# Altium PCB DDR3.PcbDoc (part 1 of 6) (continued)
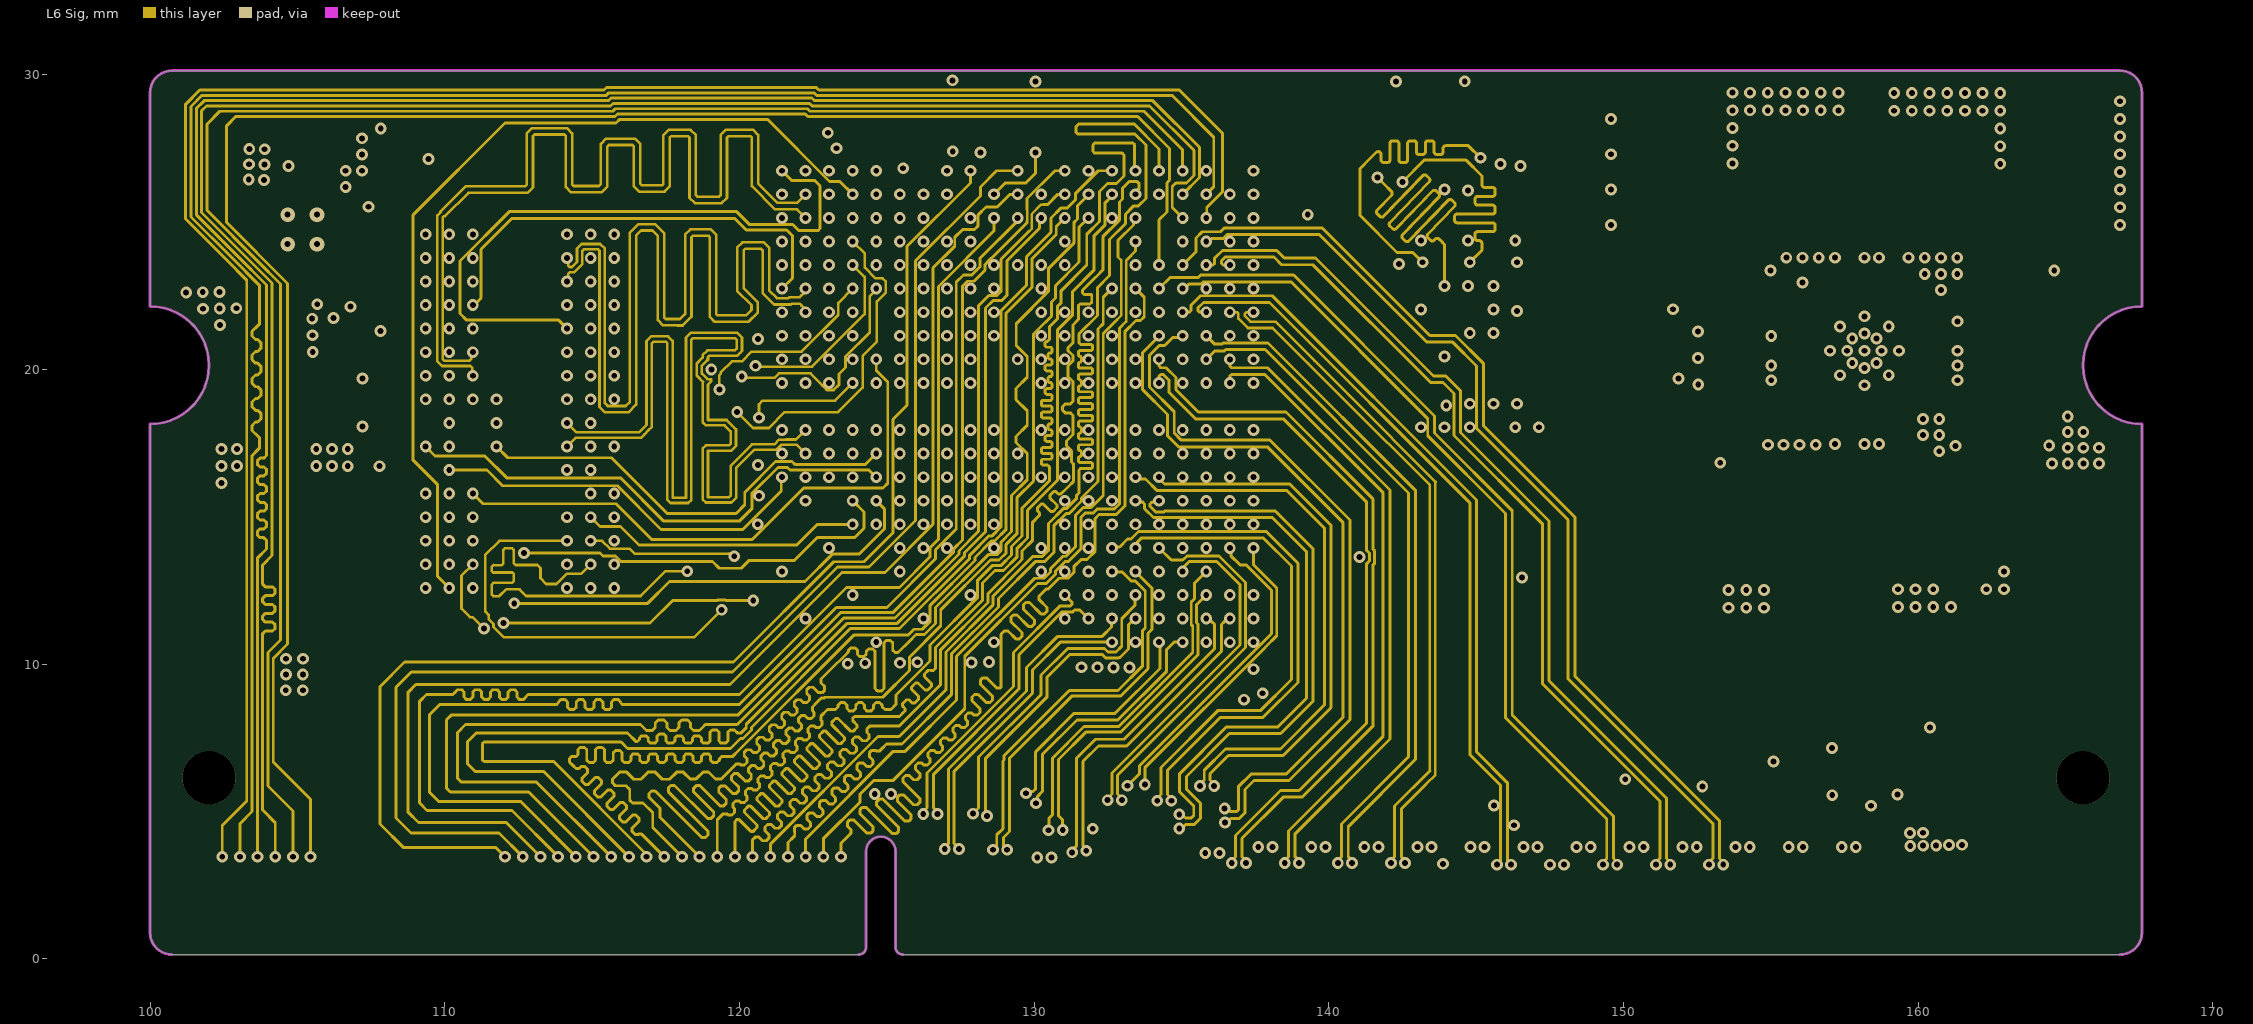
[diagram p6: L6 Sig]
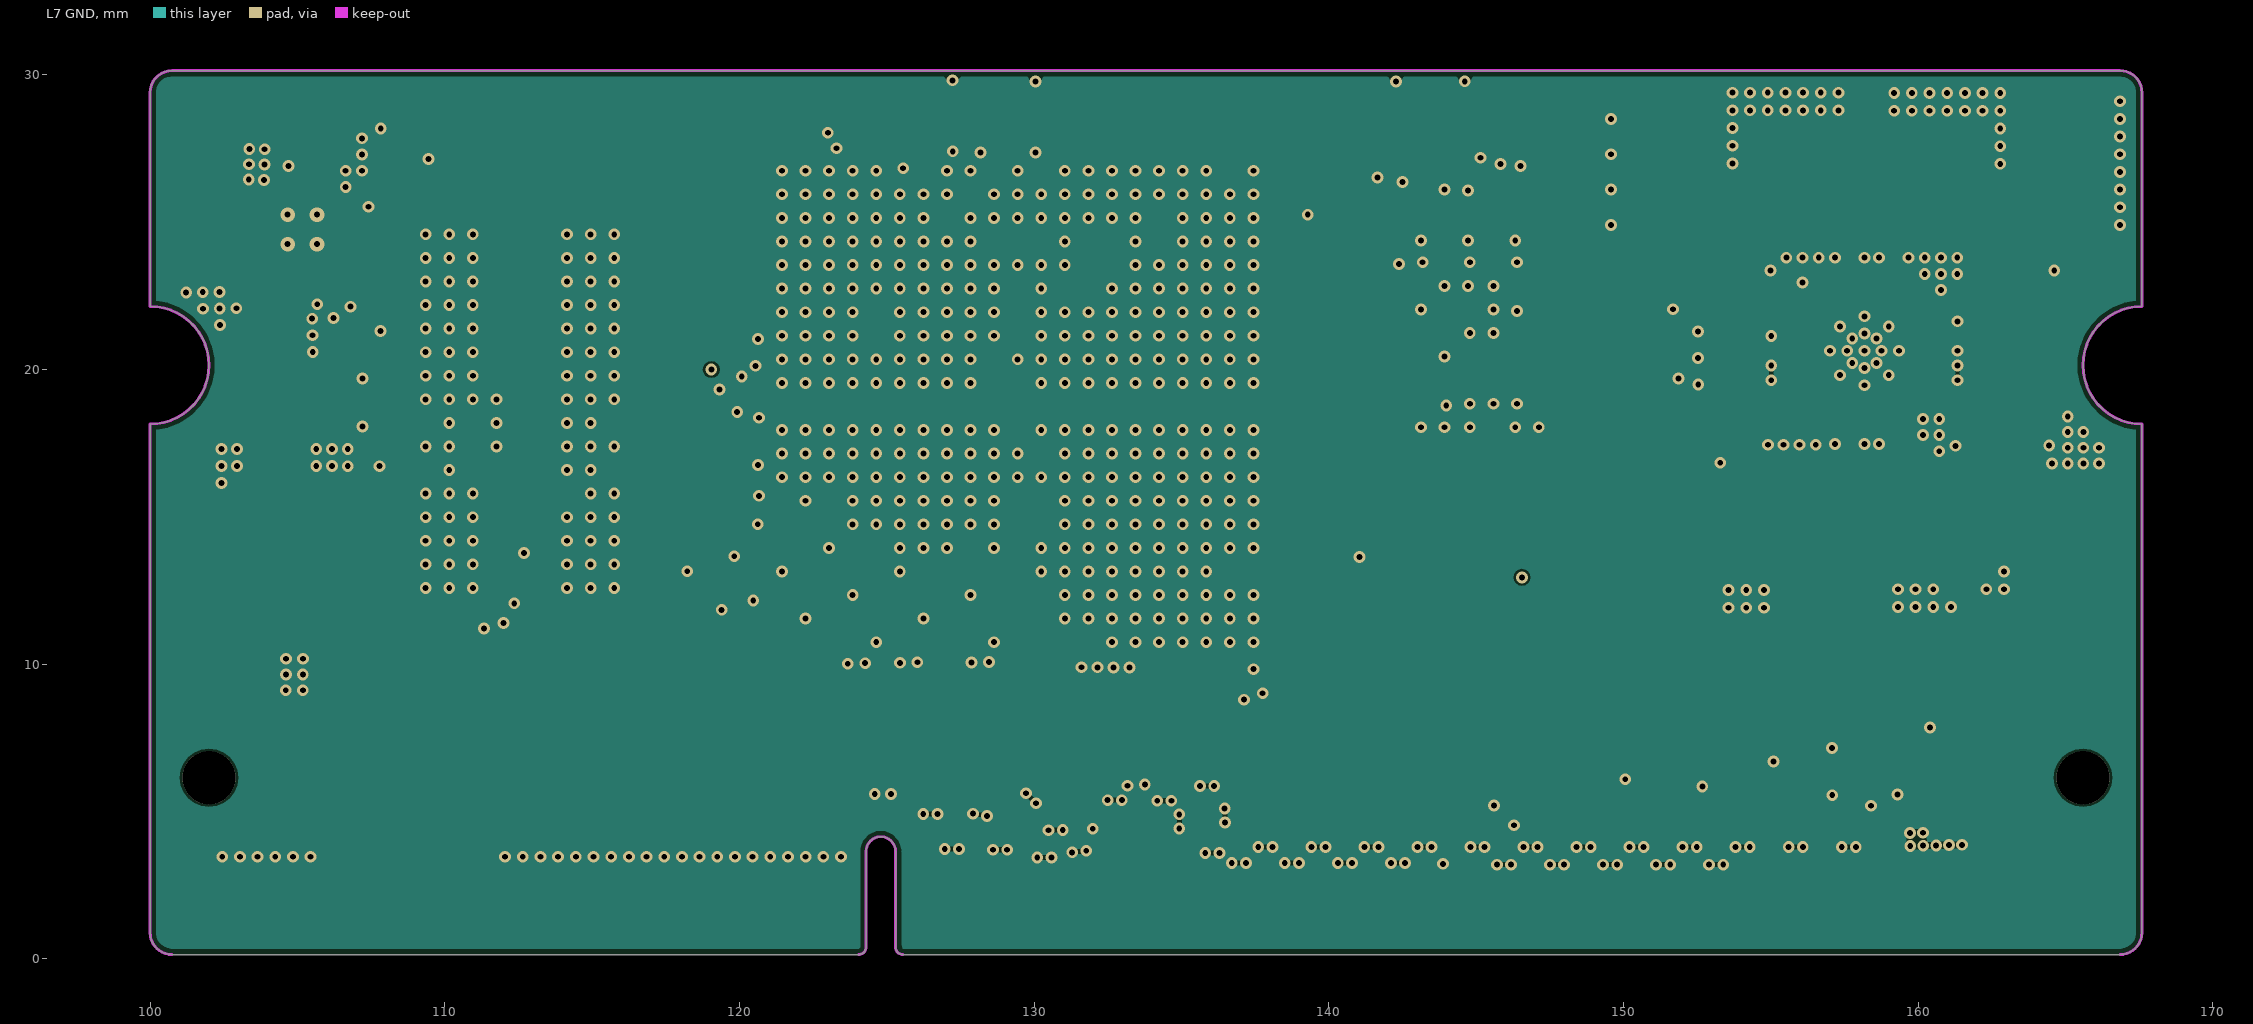
[diagram p7: L7 GND]
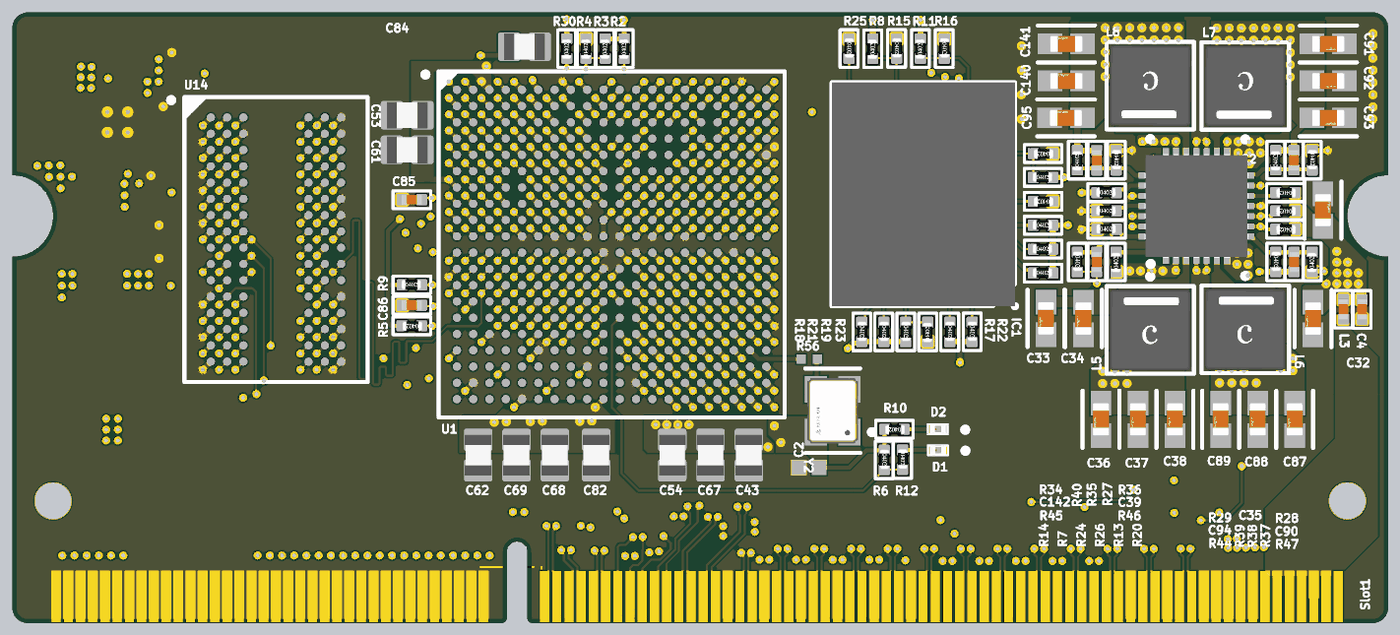
[diagram p13: 3D render of the assembled board from above, using the file's embedded part models]
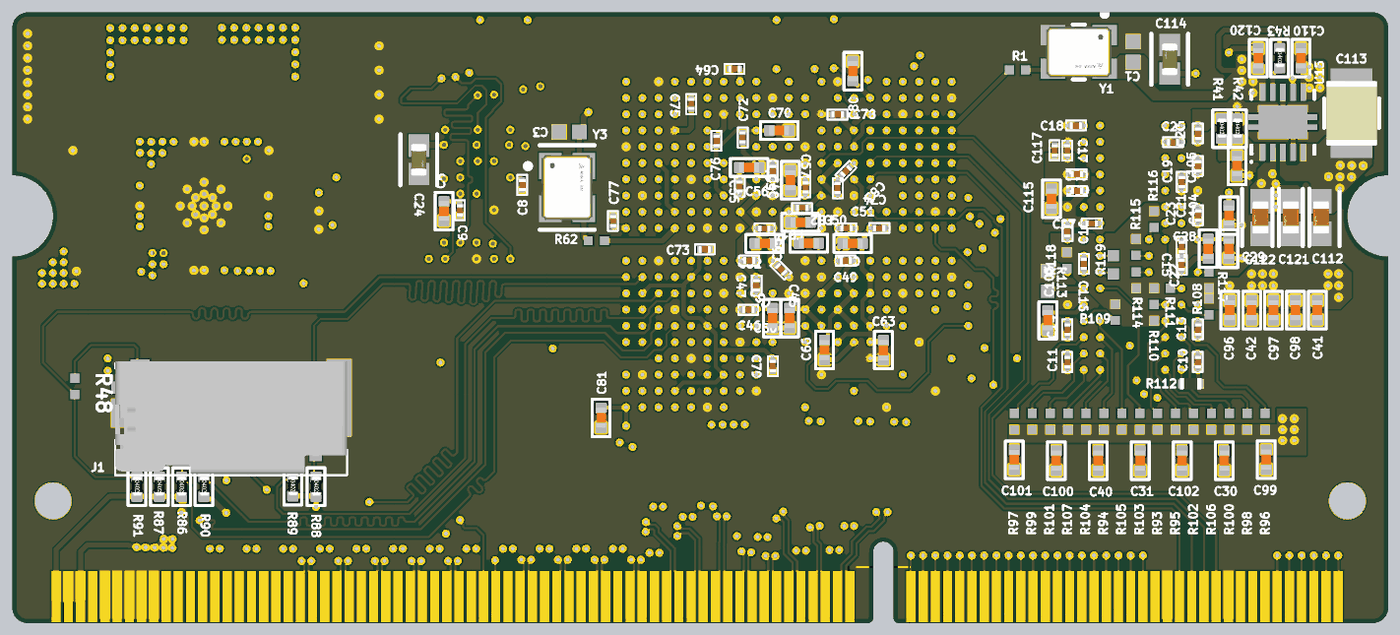
[diagram p14: 3D render of the assembled board from below, using the file's embedded part models]

## Layer stack, top to bottom
Top Solder: solder mask 0.02, Solder Resist, Dk 4.1
L1 Top: signal copper 0.043
Dielectric1: prepreg 0.07, Prepreg 1080, Dk 4.2
L2 GND: signal copper 0.018
Dielectric2: core 0.1, VT-47, Dk 4.2
L3 Sig: signal copper 0.018
Dielectric3: prepreg 0.54, Prepreg 7628 x 3, Dk 4.2
L4 (PWR): signal copper 0.018
Dielectric4: core 0.1, VT-47, Dk 4.2
L5 (PWR): signal copper 0.018
Dielectric5: prepreg 0.54, Prepreg 7628 x 3, Dk 4.2
L6 Sig: signal copper 0.018
Dielectric6: core 0.1, VT-47, Dk 4.2
L7 GND: signal copper 0.018
Dielectric7: prepreg 0.07, Prepreg 1080, Dk 4.2
L8 Bot: signal copper 0.043
Bottom Solder: solder mask 0.02, Solder Resist, Dk 4.1

## Board outline
100,0.9 ccw(c100.75,0.9) 100.75,0.15 124.05,0.15 ccw(c124.05,0.4) 124.3,0.4 124.3,3.65 cw(c124.8,3.65) 125.3,3.65 125.3,0.4 ccw(c125.55,0.4) 125.55,0.15 166.85,0.15 ccw(c166.85,0.9) 167.6,0.9 167.6,18.15 cw(c167.6,20.15) 167.6,22.15 167.6,29.4 ccw(c166.85,29.4) 166.85,30.15 100.749,30.15 ccw(c100.75,29.4) 100,29.4 100,22.15 cw(c100,20.15) 100,18.15

## Design rules (kind name [scope] priority, off if disabled: settings)
BoardOutlineClearance "BoardOutline 0.2" [All] p1: gap=0.2 ignorepadtopadclearanceinfootprint=FALSE
Clearance [All] p1: gap=0.08 ignorepadtopadclearanceinfootprint=TRUE
ComponentClearance "Feather Clearance" [HasFootprint('Feather_FFC')] p1: gap=0 collisioncheckmode=3 verticalgap=0 showdistances=FALSE
ComponentClearance [All] p2: gap=0.2 collisioncheckmode=3 verticalgap=0.2 showdistances=FALSE
DiffPairsRouting [All] p1: maxlimit=0.1 minlimit=0.08 mostfreqgap=0.1 substack1={D3D2EB41-15A4-4FBE-BDF9-9416E245AB65} toplayer_{d3d2eb41-15a4-4fbe-bdf9-9416e245ab65}_minwidth=0.381 toplayer_{d3d2eb41-15a4-4fbe-bdf9-9416e245ab65}_maxwidth=0.381 toplayer_{d3d2eb41-15a4-4fbe-bdf9-9416e245ab65}_prefwidth=0.381 midlayer1_{d3d2eb41-15a4-4fbe-bdf9-9416e245ab65}_minwidth=0.381 midlayer1_{d3d2eb41-15a4-4fbe-bdf9-9416e245ab65}_maxwidth=0.381 midlayer1_{d3d2eb41-15a4-4fbe-bdf9-9416e245ab65}_prefwidth=0.381 midlayer2_{d3d2eb41-15a4-4fbe-bdf9-9416e245ab65}_minwidth=0.381 midlayer2_{d3d2eb41-15a4-4fbe-bdf9-9416e245ab65}_maxwidth=0.381 midlayer2_{d3d2eb41-15a4-4fbe-bdf9-9416e245ab65}_prefwidth=0.381 midlayer3_{d3d2eb41-15a4-4fbe-bdf9-9416e245ab65}_minwidth=0.381 midlayer3_{d3d2eb41-15a4-4fbe-bdf9-9416e245ab65}_maxwidth=0.381 midlayer3_{d3d2eb41-15a4-4fbe-bdf9-9416e245ab65}_prefwidth=0.381 midlayer4_{d3d2eb41-15a4-4fbe-bdf9-9416e245ab65}_minwidth=0.381 midlayer4_{d3d2eb41-15a4-4fbe-bdf9-9416e245ab65}_maxwidth=0.381 midlayer4_{d3d2eb41-15a4-4fbe-bdf9-9416e245ab65}_prefwidth=0.381 midlayer5_{d3d2eb41-15a4-4fbe-bdf9-9416e245ab65}_minwidth=0.381 midlayer5_{d3d2eb41-15a4-4fbe-bdf9-9416e245ab65}_maxwidth=0.381 midlayer5_{d3d2eb41-15a4-4fbe-bdf9-9416e245ab65}_prefwidth=0.381 midlayer6_{d3d2eb41-15a4-4fbe-bdf9-9416e245ab65}_minwidth=0.381 midlayer6_{d3d2eb41-15a4-4fbe-bdf9-9416e245ab65}_maxwidth=0.381 midlayer6_{d3d2eb41-15a4-4fbe-bdf9-9416e245ab65}_prefwidth=0.381 bottomlayer_{d3d2eb41-15a4-4fbe-bdf9-9416e245ab65}_minwidth=0.381 bottomlayer_{d3d2eb41-15a4-4fbe-bdf9-9416e245ab65}_maxwidth=0.381 bottomlayer_{d3d2eb41-15a4-4fbe-bdf9-9416e245ab65}_prefwidth=0.381 toplayer_minwidth=0.08 toplayer_maxwidth=0.1 toplayer_prefwidth=0.1 midlayer1_minwidth=0.08 midlayer1_maxwidth=0.1 midlayer1_prefwidth=0.1 midlayer2_minwidth=0.08 midlayer2_maxwidth=0.1 midlayer2_prefwidth=0.1 midlayer3_minwidth=0.08 midlayer3_maxwidth=0.1 midlayer3_prefwidth=0.1 midlayer4_minwidth=0.08 midlayer4_maxwidth=0.1 midlayer4_prefwidth=0.1 midlayer5_minwidth=0.08 midlayer5_maxwidth=0.1 midlayer5_prefwidth=0.1 midlayer6_minwidth=0.08 midlayer6_maxwidth=0.1 midlayer6_prefwidth=0.1 bottomlayer_mingap=0.1 bottomlayer_minwidth=0.08 bottomlayer_maxwidth=0.1 bottomlayer_prefwidth=0.1 filterlayerstackid={55388FC2-3573-4435-ADA9-B42E271BE3AA} maxuncoupledlength=12.7
HoleToHoleClearance [All] p1: gap=0.18 allowstackedmicrovias=TRUE
MatchedLengths MatchLengths_DDR_CMD_CTRL [InxSignalClass('DDR_CMD_CTRL')] p1: tolerance=0.5 checknetsindiffpair=FALSE checkdiffpairvsdiffpair=TRUE checkxsignals=TRUE checkothers=TRUE
MatchedLengths DDR_LANE0 [InNetClass('LANE0')] p2: tolerance=1 checknetsindiffpair=FALSE checkdiffpairvsdiffpair=TRUE checkxsignals=TRUE checkothers=TRUE
MatchedLengths DDR_LANE3 [InNetClass('LANE3')] p3: tolerance=1 checknetsindiffpair=FALSE checkdiffpairvsdiffpair=TRUE checkxsignals=TRUE checkothers=TRUE
MatchedLengths DDR_LANE2 [InNetClass('LANE2')] p4: tolerance=1 checknetsindiffpair=FALSE checkdiffpairvsdiffpair=TRUE checkxsignals=TRUE checkothers=TRUE
MatchedLengths DDR_LANE1 [InNetClass('LANE1')] p5: tolerance=1 checknetsindiffpair=FALSE checkdiffpairvsdiffpair=TRUE checkxsignals=TRUE checkothers=TRUE
PolygonConnect [All] p1: thpad.connectstyle=Relief thpad.reliefconductorwidth=0.2 thpad.reliefentries=4 thpad.polygonreliefangle="90 Angle" thpad.airgapwidth=0.1 smdpad.connectstyle=Direct smdpad.reliefconductorwidth=0.254 smdpad.reliefentries=4 smdpad.polygonreliefangle="90 Angle" smdpad.airgapwidth=0.254 via.connectstyle=Direct via.reliefconductorwidth=0.254 via.reliefentries=4 via.polygonreliefangle="90 Angle" via.airgapwidth=0.254
RoomDefinition "U_02_Input Connectors" [InComponentClass('U_02_Input Connectors')] p1: confinementstyle=ConfineOut formatcopy=TRUE lockcomponents=FALSE outline 77.3,26.9 147,26.9 147,39.6 77.3,39.6
RoomDefinition "U_14_Zynq Power" [InComponentClass('U_14_Zynq Power')] p2: confinementstyle=ConfineOut formatcopy=TRUE lockcomponents=FALSE outline 77.3,201.6 379.199,201.6 379.199,206.1 77.3,206.1
RoomDefinition "U_13_Zynq PL" [InComponentClass('U_13_Zynq PL')] p3: confinementstyle=ConfineOut formatcopy=TRUE lockcomponents=FALSE outline 77.3,196.3 83.5,196.3 83.5,200.4 77.3,200.4
RoomDefinition "U_12_QSPI SD-Card" [InComponentClass('U_12_QSPI SD-Card')] p4: confinementstyle=ConfineOut formatcopy=TRUE lockcomponents=FALSE outline 77.3,176.6 177.1,176.6 177.1,195 77.3,195
RoomDefinition "U_11_Zynq MIO" [InComponentClass('U_11_Zynq MIO')] p5: confinementstyle=ConfineOut formatcopy=TRUE lockcomponents=FALSE outline 77.3,169.6 202.3,169.6 202.3,175.3 77.3,175.3
RoomDefinition "U_10_DDR3 RAM" [InComponentClass('U_10_DDR3 RAM')] p6: confinementstyle=ConfineOut formatcopy=TRUE lockcomponents=FALSE outline 77.3,151.9 288.299,151.9 288.299,168.4 77.3,168.4
RoomDefinition "U_09_Zynq DDR" [InComponentClass('U_09_Zynq DDR')] p7: confinementstyle=ConfineOut formatcopy=TRUE lockcomponents=FALSE outline 77.3,146.4 263.299,146.4 263.299,150.6 77.3,150.6
RoomDefinition "U_08_Zynq Config_ADC" [InComponentClass('U_08_Zynq Config_ADC')] p8: confinementstyle=ConfineOut formatcopy=TRUE lockcomponents=FALSE outline 77.3,124.7 125.2,124.7 125.2,145.2 77.3,145.2
RoomDefinition "U_07_Analog Buffer" [InComponentClass('U_07_Analog Buffer')] p9: confinementstyle=ConfineOut formatcopy=TRUE lockcomponents=FALSE outline 77.3,118.1 264.299,118.1 264.299,123.5 77.3,123.5
RoomDefinition "U_06_USB-UART Bridge" [InComponentClass('U_06_USB-UART Bridge')] p10: confinementstyle=ConfineOut formatcopy=TRUE lockcomponents=FALSE outline 77.3,110.2 142.9,110.2 142.9,116.8 77.3,116.8
RoomDefinition "U_05_Output Connectors" [InComponentClass('U_05_Output Connectors')] p11: confinementstyle=ConfineOut formatcopy=TRUE lockcomponents=FALSE outline 77.3,55.3 158.6,55.3 158.6,109 77.3,109
RoomDefinition U_04_Supply_Monitoring [InComponentClass('U_04_Supply_Monitoring')] p12: confinementstyle=ConfineOut formatcopy=TRUE lockcomponents=FALSE outline 77.3,48.3 328.299,48.3 328.299,54.1 77.3,54.1
RoomDefinition "U_03_Battery Management" [InComponentClass('U_03_Battery Management')] p13: confinementstyle=ConfineOut formatcopy=TRUE lockcomponents=FALSE outline 77.3,40.9 154.1,40.9 154.1,47 77.3,47
RoutingVias [All] p1: holewidth=0.2 width=0.4 viastyle="Through Hole" minholewidth=0.2 minwidth=0.4 maxholewidth=0.5 maxwidth=1.5
SolderMaskExpansion [All] p1: expansion=0.025 istentingtop=FALSE
Width [All] p1: maxlimit=2 minlimit=0.08 preferedwidth=0.08 substack1={D3D2EB41-15A4-4FBE-BDF9-9416E245AB65}
27 further rules are at their usual default settings.

## Classes and differential pairs
net class JTAG: TCK TDI TDO TMS
net class DIFF: IO_L1_T0_AD0_35_N IO_L1_T0_AD0_35_P IO_L2_T0_34_N IO_L2_T0_34_P IO_L2_T0_AD8_35_N IO_L2_T0_AD8_35_P IO_L3_T0_DQS_34_N IO_L3_T0_DQS_34_P IO_L4_T0_35_N IO_L4_T0_35_P IO_L11_T1_SRCC_35_N IO_L11_T1_SRCC_35_P IO_L15_T2_DQS_AD12_35_N IO_L15_T2_DQS_AD12_35_P IO_L17_T2_AD5_35_N IO_L17_T2_AD5_35_P IO_L18_T2_AD13_35_N IO_L18_T2_AD13_35_P
net class HDMI: HDMI_CLK_N HDMI_CLK_P HDMI_D0_N HDMI_D0_P HDMI_D1_N HDMI_D1_P HDMI_D2_N HDMI_D2_P
net class PS_MIO: PS_MIO15 PS_MIO16 PS_MIO17 PS_MIO18 PS_MIO19 PS_MIO20 PS_MIO21 PS_MIO22 PS_MIO23 PS_MIO24 PS_MIO25 PS_MIO26 PS_MIO27 PS_MIO28 PS_MIO29 PS_MIO30 PS_MIO31 PS_MIO32 PS_MIO33 PS_MIO34 PS_MIO35 PS_MIO36 PS_MIO37 PS_MIO38 PS_MIO39 PS_MIO40 PS_MIO41 PS_MIO42 PS_MIO43 PS_MIO44 PS_MIO45 PS_MIO46 PS_MIO47 PS_MIO48 PS_MIO49 PS_MIO50 PS_MIO51 PS_MIO52 PS_MIO53
net class PS_MIO[15..53]: PS_MIO15 PS_MIO16 PS_MIO17 PS_MIO18 PS_MIO19 PS_MIO20 PS_MIO21 PS_MIO22 PS_MIO23 PS_MIO24 PS_MIO25 PS_MIO26 PS_MIO27 PS_MIO28 PS_MIO29 PS_MIO30 PS_MIO31 PS_MIO32 PS_MIO33 PS_MIO34 PS_MIO35 PS_MIO36 PS_MIO37 PS_MIO38 PS_MIO39 PS_MIO40 PS_MIO41 PS_MIO42 PS_MIO43 PS_MIO44 PS_MIO45 PS_MIO46 PS_MIO47 PS_MIO48 PS_MIO49 PS_MIO50 PS_MIO51 PS_MIO52 PS_MIO53
net class SD-CARD: SD_CMD SD_DAT0 SD_DAT1 SD_DAT2 SD_DAT3 SD_NCD SD_SCK
net class NAND: #RE_0 #WE_0 ALE_0 CLK_0 CS_0 IO0_0 IO1_0 IO2_0 IO3_0 IO4_0 IO5_0 IO6_0 IO7_0 RY/#BY_0
net class DDR_DATA: DDR-0-A0 DDR-0-A1 DDR-0-A2 DDR-0-A3 DDR-0-A4 DDR-0-A5 DDR-0-A6 DDR-0-A7 DDR-0-A8 DDR-0-A9 DDR-0-A10 DDR-0-A11 DDR-0-A12 DDR-0-A13 DDR-0-A14 DDR-0-DQ0 DDR-0-DQ1 DDR-0-DQ2 DDR-0-DQ3 DDR-0-DQ4 DDR-0-DQ5 DDR-0-DQ6 DDR-0-DQ7 DDR-0-DQ8 DDR-0-DQ9 DDR-0-DQ10 DDR-0-DQ11 DDR-0-DQ12 DDR-0-DQ13 DDR-0-DQ14 DDR-0-DQ15
net class DDR_CTRL: DDR-0-BA0 DDR-0-BA1 DDR-0-BA2 DDR-0-CAS DDR-0-CLK DDR-0-CLK0_N DDR-0-CLK0_P DDR-0-CS0 DDR-0-LDM DDR-0-LDQS_N DDR-0-LDQS_P DDR-0-ODT DDR-0-RAS DDR-0-RESET DDR-0-UDM DDR-0-UDQS_N DDR-0-UDQS_P DDR-0-WE
net class DDR-0-DQ[0..15]: DDR-0-DQ0 DDR-0-DQ1 DDR-0-DQ2 DDR-0-DQ3 DDR-0-DQ4 DDR-0-DQ5 DDR-0-DQ6 DDR-0-DQ7 DDR-0-DQ8 DDR-0-DQ9 DDR-0-DQ10 DDR-0-DQ11 DDR-0-DQ12 DDR-0-DQ13 DDR-0-DQ14 DDR-0-DQ15
net class DDR-0-BA[0..2]: DDR-0-BA0 DDR-0-BA1 DDR-0-BA2
component class U_ZYNQ_PW: C43 C44 C45 C46 C47 C48 C49 C50 C51 C52 C53 C54 C55 C56 C57 C58 C59 C60 C61 C62 C63 C64 C65 C66 C67 C68 C69 C70 C71 C72 C73 C74 C75 C76 C77 C78 C79 C80 C81 C82 C83 C84 FB1 FB2
component class U_ZYNQ_PS: C5 D1 R2 R3 R4 R5 R6 R9 R12 R30
component class U_ZYNQ_FLASH: C6 C8 C9 C24 IC1 R7 R8 R11 R13 R14 R15 R16 R17 R18 R19 R20 R21 R22 R23 R24 R25 R26
component class U_ZYNQ_DDR3: C10 C11 C12 C13 C14 C15 C16 C17 C18 C19 C20 C21 C22 C23 C25 C26 C27 C28 C29 C30 C31 C40 C41 C42 C96 C97 C98 C99 C100 C101 C102 C114 C115 C116 C117 R93 R94 R95 R96 R97 R98 R99 R100 R101 R102 R103 R104 R105 R106 R107 R108 R109 R110 R111 R112 R113 R114 R115 R116 R117 R118 R119 U14
component class U_ZYNQ_BANK: C85 C86 Slot1 U1
component class U_SDCARD: J1 R48 R86 R87 R88 R89 R90 R91
component class U_PSCLK: C1 C2 C3 R1 R56 R62 Y1 Y2 Y3
component class U_Power: C4 C32 C33 C34 C35 C36 C37 C38 C39 C87 C88 C89 C90 C91 C92 C93 C94 C95 C140 C141 C142 D2 IC2 L3 L5 L6 L7 L8 R10 R27 R28 R29 R34 R35 R36 R37 R38 R39 R40 R44 R45 R46 R47
component class U_Power_DDRTermination: C103 C104 C105 C110 C112 C113 C120 C121 C122 R41 R42 R43 U15
net class DDR-0-A[0..14]: DDR-0-A0 DDR-0-A1 DDR-0-A2 DDR-0-A3 DDR-0-A4 DDR-0-A5 DDR-0-A6 DDR-0-A7 DDR-0-A8 DDR-0-A9 DDR-0-A10 DDR-0-A11 DDR-0-A12 DDR-0-A13 DDR-0-A14
differential pair IO_L13_T2_MRCC_35: +IO_L13_T2_MRCC_35_P -IO_L13_T2_MRCC_35_N
differential pair IO_L21_T3_DQS_AD14_35: +IO_L21_T3_DQS_AD14_35_P -IO_L21_T3_DQS_AD14_35_N
differential pair IO_L20_T3_AD6_35: +IO_L20_T3_AD6_35_P -IO_L20_T3_AD6_35_N
differential pair IO_L19_T3_35: +IO_L19_T3_35_P -IO_L19_T3_35_N
differential pair IO_L16_T2_35: +IO_L16_T2_35_P -IO_L16_T2_35_N
differential pair IO_L14_T2_AD4_SRCC_35: +IO_L14_T2_AD4_SRCC_35_P -IO_L14_T2_AD4_SRCC_35_N
differential pair IO_L10_T1_AD11_35: +IO_L10_T1_AD11_35_P -IO_L10_T1_AD11_35_N
differential pair IO_L6_T0_35: +IO_L6_T0_35_P -IO_L6_T0_35_N
differential pair IO_L5_T0_AD9_35: +IO_L5_T0_AD9_35_P -IO_L5_T0_AD9_35_N
differential pair IO_L3_T0_DQS_AD1_35: +IO_L3_T0_DQS_AD1_35_P -IO_L3_T0_DQS_AD1_35_N
differential pair IO_L23_T3_35: +IO_L23_T3_35_P -IO_L23_T3_35_N
differential pair IO_L22_T3_AD7_35: +IO_L22_T3_AD7_35_P -IO_L22_T3_AD7_35_N
differential pair IO_L9_T1_DQS_AD3_35: +IO_L9_T1_DQS_AD3_35_P -IO_L9_T1_DQS_AD3_35_N
differential pair IO_L22_T3_34: +IO_L22_T3_34_P -IO_L22_T3_34_N
differential pair IO_L24_T3_34: +IO_L24_T3_34_P -IO_L24_T3_34_N
differential pair IO_L9_T1_DQS: +IO_L9_T1_DQS_P -IO_L9_T1_DQS_N
differential pair IO_L6_T0_34: +IO_L6_T0_34_P -IO_L6_T0_34_N
differential pair IO_L5_T0_34: +IO_L5_T0_34_P -IO_L5_T0_34_N
differential pair IO_L7_T1_34: +IO_L7_T1_34_P -IO_L7_T1_34_N
differential pair IO_L11_T1_SRCC_34: +IO_L11_T1_SRCC_34_P -IO_L11_T1_SRCC_34_N
differential pair IO_L10_T1_34: +IO_L10_T1_34_P -IO_L10_T1_34_N
differential pair IO_L8_T1_34: +IO_L8_T1_34_P -IO_L8_T1_34_N
differential pair IO_L4_T0_34: +IO_L4_T0_34_P -IO_L4_T0_34_N
differential pair IO_L24_T3_AD15_35: +IO_L24_T3_AD15_35_P -IO_L24_T3_AD15_35_N
differential pair IO_L18_T2_AD13_35: +IO_L18_T2_AD13_35_P -IO_L18_T2_AD13_35_N
differential pair IO_L17_T2_AD5_35: +IO_L17_T2_AD5_35_P -IO_L17_T2_AD5_35_N
differential pair IO_L15_T2_DQS_AD12_35: +IO_L15_T2_DQS_AD12_35_P -IO_L15_T2_DQS_AD12_35_N
differential pair IO_L11_T1_SRCC_35: +IO_L11_T1_SRCC_35_P -IO_L11_T1_SRCC_35_N
differential pair IO_L4_T0_35: +IO_L4_T0_35_P -IO_L4_T0_35_N
differential pair IO_L2_T0_AD8_35: +IO_L2_T0_AD8_35_P -IO_L2_T0_AD8_35_N
differential pair IO_L2_T0_34: +IO_L2_T0_34_P -IO_L2_T0_34_N
differential pair IO_L1_T0_AD0_35: +IO_L1_T0_AD0_35_P -IO_L1_T0_AD0_35_N
differential pair IO_L3_T0_DQS_34: +IO_L3_T0_DQS_34_P -IO_L3_T0_DQS_34_N
differential pair Q4: +HDMI_D1_P -HDMI_D1_N
differential pair HDMI_D2: +HDMI_D2_P -HDMI_D2_N
differential pair HDMI_D0: +HDMI_D0_P -HDMI_D0_N
differential pair HDMI_CLK: +HDMI_CLK_P -HDMI_CLK_N
differential pair DDR-0-UDQS: +DDR-0-UDQS_P -DDR-0-UDQS_N
differential pair DDR-0-LDQS: +DDR-0-LDQS_P -DDR-0-LDQS_N
differential pair DDR-0-CLK0: +DDR-0-CLK0_P -DDR-0-CLK0_N
